# Altium PCB DSUB_V2_JGl_RoV24_RevA.PcbDoc (part 1 of 2) (continued)
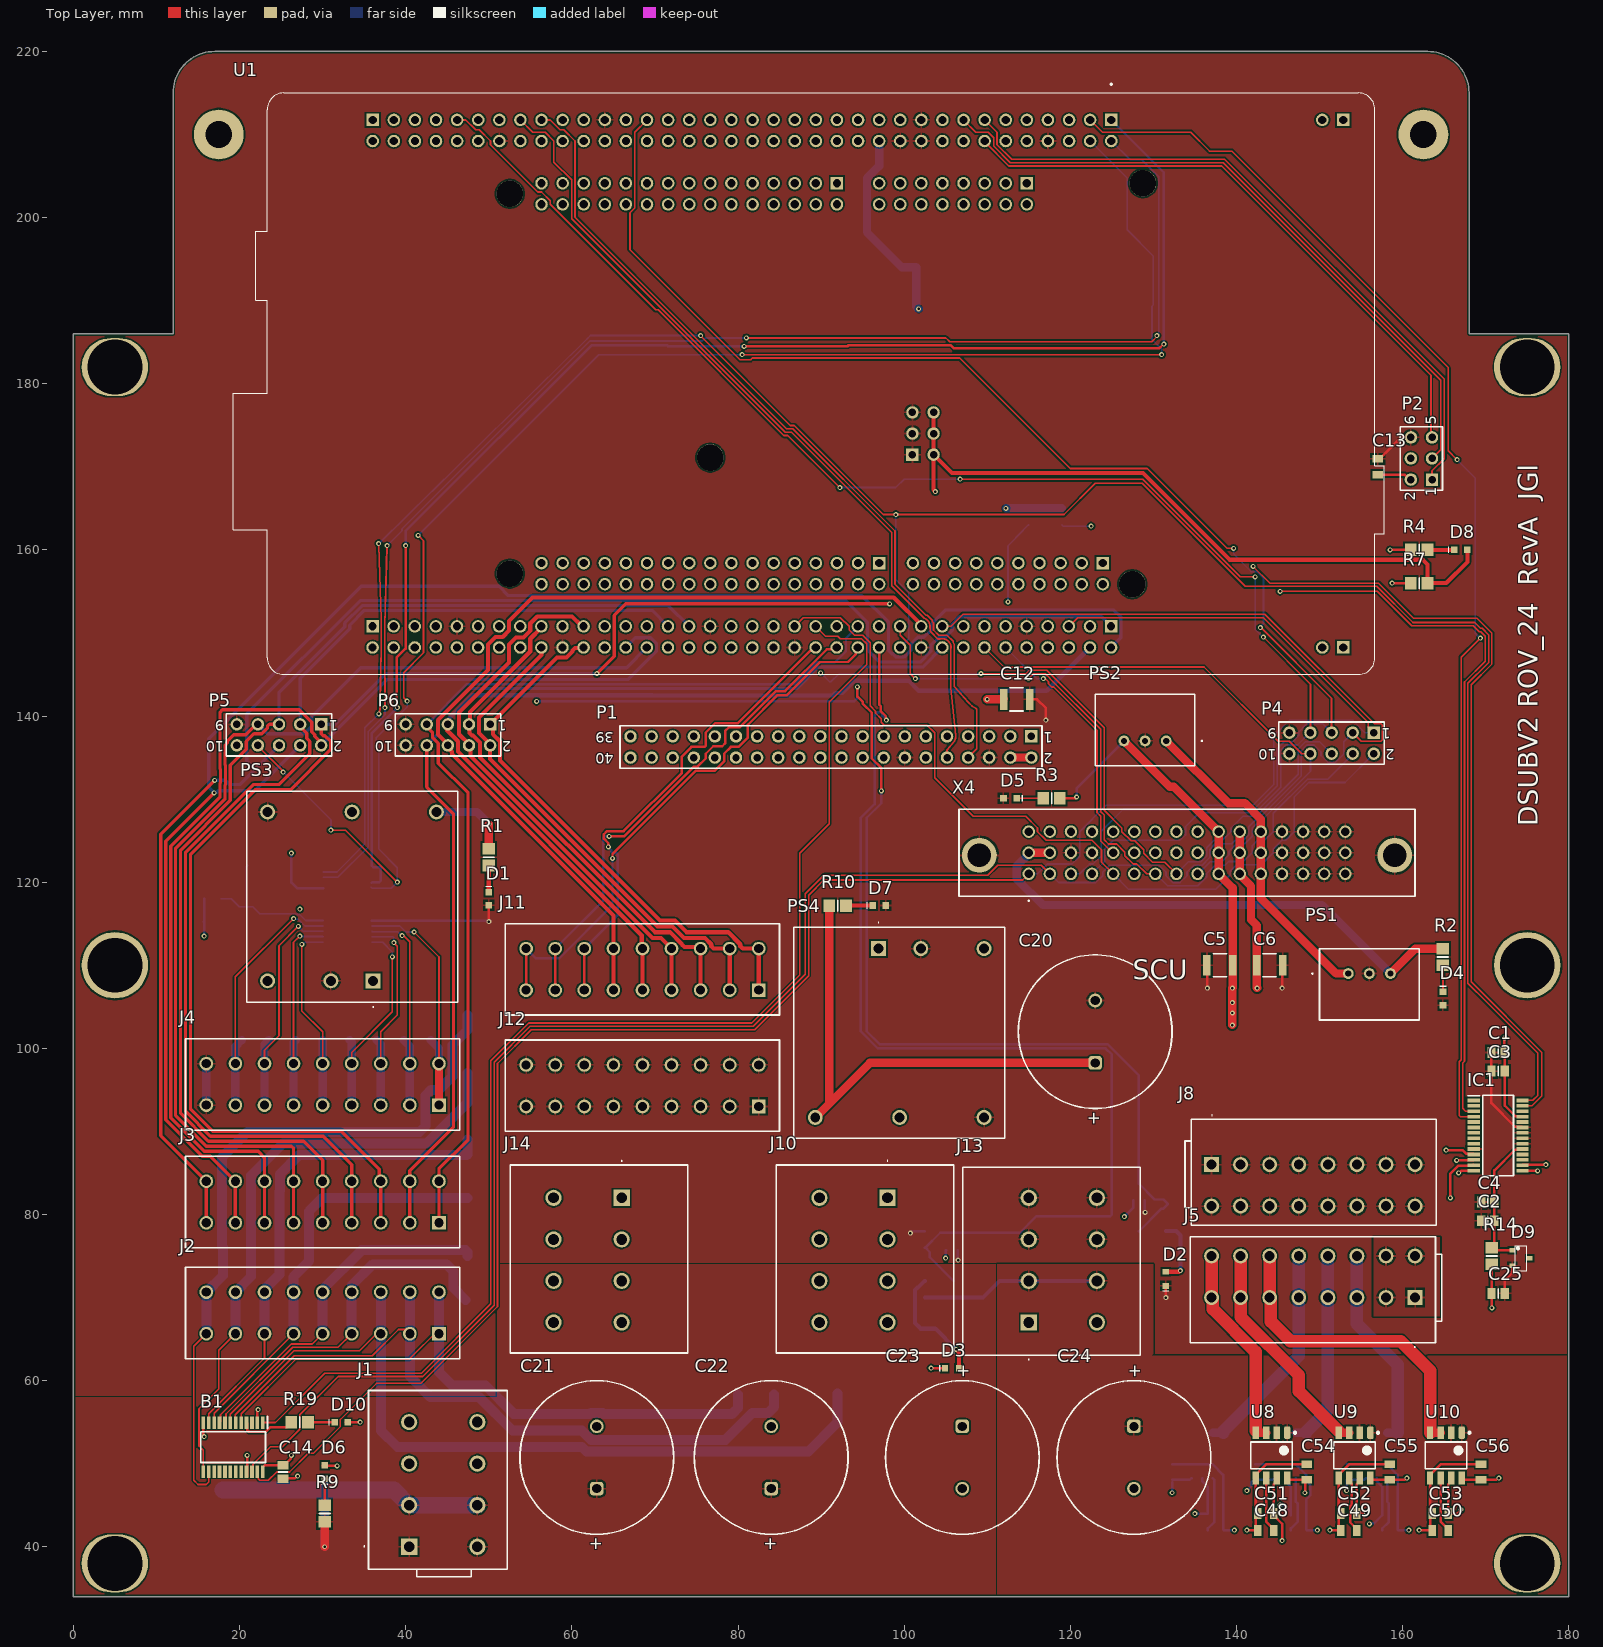
[diagram p0: Top Layer view]
## Components (designator, comment, footprint, x,y, rotation, side; value= is the part's Value field where it differs from the comment) (continued)
U6 "LEM GO 20-SME/SP3" Lem_sme_SOIC8 146.5,51 r270 bottom
U7 "LEM GO 20-SME/SP3" Lem_sme_SOIC8 157.5,51 r270 bottom
U8 "LEM GO 20-SME/SP3" Lem_sme_SOIC8 144.212,51 r270 top
U9 "LEM GO 20-SME/SP3" Lem_sme_SOIC8 154.212,51 r270 top
U10 "LEM GO 20-SME/SP3" Lem_sme_SOIC8 165.212,51 r270 top
X4 "09232482824" 09232482824 115,121 r180 top

## Footprints (in the part's own frame and the unit in brackets; to place one, negate y for a bottom-side part, rotate by r counter-clockwise, add the part's x,y. Pads: shape width x height; smd on the part's side, far side on the other; paste and mask are expansions set on the pad)
6-0805_L [mm] "Chip Resistor, Body 2.0x1.2mm, IPC High Density"
  rect 1x1.3 smd: 1(-0.8,0) 2(0.8,0)
  silkscreen extent 0,-0.55 0,0.55, body extent -1.07,-0.7 1.07,0.7, height 0.7
6-0805_M [mm] "Chip Resistor, Body 2.0x1.2mm, IPC Low Density"
  rect 1.4x1.5 smd: 1(-1,0) 2(1,0)
  silkscreen extent 0,-0.65 0,0.65, body extent -1.07,-0.7 1.07,0.7, height 0.7
1190365 [mm]
  rect 1.95x1.95 hole 1.3: A1(0,0)
  round 1.95 hole 1.3: A2(5,0) A3(10,0) A4(15,0) B1(0,-8.2) B2(5,-8.2) B3(10,-8.2) B4(15,-8.2)
  silkscreen extent -4.5,-13.4 18.67,7.95, body extent -3.95,-13.46 18.68,7.89, height 20.28
1864354 [mm]
  rect 1.65x1.65 hole 1.1: 1(0,0)
  round 1.65 hole 1.1: 2(0,-5) 3(3.5,0) 4(3.5,-5) 5(7,0) 6(7,-5) 7(10.5,0) 8(10.5,-5) 9(14,0) 10(14,-5) 11(17.5,0) 12(17.5,-5) 13(21,0) 14(21,-5) 15(24.5,0) 16(24.5,-5) 17(28,0) 18(28,-5)
  silkscreen extent -2.5,-8 30.5,3, body extent -2.54,-8 30.46,3, height 10.9
26013108 [mm]
  rect 1.8x1.8 hole 1.2: 1(0,0)
  round 1.8 hole 1.2: 2(0,-5) 3(3.5,0) 4(3.5,-5) 5(7,0) 6(7,-5) 7(10.5,0) 8(10.5,-5) 9(14,0) 10(14,-5) 11(17.5,0) 12(17.5,-5) 13(21,0) 14(21,-5) 15(24.5,0) 16(24.5,-5)
  silkscreen extent -3.2,-7.3 27.05,6, body extent -2.44,-7.22 27.06,5.53, height 16.61
26043104 [mm]
  rect 1.95x1.95 hole 1.3: 1(0,0)
  round 1.95 hole 1.3: 2(0,-8.2) 3(5,0) 4(5,-8.2) 5(10,0) 6(10,-8.2) 7(15,0) 8(15,-8.2)
  silkscreen extent -3.6,-11.8 18.8,5.45
09232482824 [mm]
  round 1.5 hole 1: A1(0,0) A2(-2.54,0) A3(-5.08,0) A4(-7.62,0) A5(-10.16,0) A6(-12.7,0) A7(-15.24,0) A8(-17.78,0) A9(-20.32,0) A10(-22.86,0) A11(-25.4,0) A12(-27.94,0) A13(-30.48,0) A14(-33.02,0) A15(-35.56,0) A16(-38.1,0) B1(0,-2.54) B2(-2.54,-2.54) B3(-5.08,-2.54) B4(-7.62,-2.54) B5(-10.16,-2.54) B6(-12.7,-2.54) B7(-15.24,-2.54) B8(-17.78,-2.54) B9(-20.32,-2.54) B10(-22.86,-2.54) B11(-25.4,-2.54) B12(-27.94,-2.54) B13(-30.48,-2.54) B14(-33.02,-2.54) B15(-35.56,-2.54) B16(-38.1,-2.54) C1(0,-5.08) C2(-2.54,-5.08) C3(-5.08,-5.08) C4(-7.62,-5.08) C5(-10.16,-5.08) C6(-12.7,-5.08) C7(-15.24,-5.08) C8(-17.78,-5.08) C9(-20.32,-5.08) C10(-22.86,-5.08) C11(-25.4,-5.08) C12(-27.94,-5.08) C13(-30.48,-5.08) C14(-33.02,-5.08) C15(-35.56,-5.08) C16(-38.1,-5.08)
  round 4.2 hole 2.8: MH1(5.95,-2.24) MH2(-44.05,-2.24)
  silkscreen extent -46.5,-7.79 8.4,3.3, body extent -46.5,-7.8 8.4,2.7, height 11.6
FUSC5146X85N [mm]
  rect 1.02x4.94 smd: 1(-2.565,0) 2(2.565,0)
  silkscreen extent 0,-2.19 0,2.19, body extent -2.54,-2.29 2.54,2.29, height 0.85
HDR2X3 [mm] "Connector; Header; 3x2 Position"
  rect 1.5x1.5 hole 0.9: 1(0,0)
  round 1.5 hole 0.9: 2(0,2.54) 3(2.54,0) 4(2.54,2.54) 5(5.08,0) 6(5.08,2.54)
  silkscreen extent -1.27,-1.27 6.35,3.81
HDR2X5 [mm] "Connector; Header; 5x2 Position"
  rect 1.5x1.5 hole 0.9: 1(0,0)
  round 1.5 hole 0.9: 2(0,2.54) 3(2.54,0) 4(2.54,2.54) 5(5.08,0) 6(5.08,2.54) 7(7.62,0) 8(7.62,2.54) 9(10.16,0) 10(10.16,2.54)
  silkscreen extent -1.27,-1.27 11.43,3.81
HDR2X20 [mm] "Connector; Header; 20x2 Position"
  rect 1.5x1.5 hole 0.9: 1(0,0)
  round 1.5 hole 0.9: 2(0,2.54) 3(2.54,0) 4(2.54,2.54) 5(5.08,0) 6(5.08,2.54) 7(7.62,0) 8(7.62,2.54) 9(10.16,0) 10(10.16,2.54) 11(12.7,0) 12(12.7,2.54) 13(15.24,0) 14(15.24,2.54) 15(17.78,0) 16(17.78,2.54) 17(20.32,0) 18(20.32,2.54) 19(22.86,0) 20(22.86,2.54) 21(25.4,0) 22(25.4,2.54) 23(27.94,0) 24(27.94,2.54) 25(30.48,0) 26(30.48,2.54) 27(33.02,0) 28(33.02,2.54) 29(35.56,0) 30(35.56,2.54) 31(38.1,0) 32(38.1,2.54) 33(40.64,0) 34(40.64,2.54) 35(43.18,0) 36(43.18,2.54) 37(45.72,0) 38(45.72,2.54) 39(48.26,0) 40(48.26,2.54)
  silkscreen extent -1.27,-1.27 49.53,3.81
Lem_sme_SOIC8 [mm] "SOIC, 8-Leads, Body 4,89x3,90mm, Pitch 1,27mm, IPC Medium Density"
  rrect50% 1.52x0.76 smd: 1(-2.725,1.905)
  rect 1.52x0.76 smd: 2(-2.725,0.635) 3(-2.725,-0.635) 4(-2.725,-1.905) 5(2.725,-1.905) 6(2.725,-0.635) 7(2.725,0.635) 8(2.725,1.905)
  silkscreen extent -2.85,-2.5 1.6,2.96, body extent -3.01,-2.5 3.01,2.5, height 1.63
MODULE_NUCLEOH723ZG [mm]
  rect 1.508x1.508 / inner round 1.508 / far side rect 1.508x1.508 hole 1: CN3_1(-31.75,62.87) CN4_1(31.75,62.87) CN7_1(21.59,33.914) CN8_1(-24.13,24.77) CN9_1(-24.13,1.91) CN10_1(21.59,6.99) CN11_1(-31.75,34.93) CN12_1(29.21,34.91) CN15_1(29.21,-53.99) CN16_1(-31.75,-53.97)
  round 1.508 hole 1: CN3_2(-31.75,60.33) CN4_2(31.75,60.33) CN7_2(24.13,33.914) CN7_3(21.59,31.374) CN7_4(24.13,31.374) CN7_5(21.59,28.834) CN7_6(24.13,28.834) CN7_7(21.59,26.294) CN7_8(24.13,26.294) CN7_9(21.59,23.754) CN7_10(24.13,23.754) CN7_11(21.59,21.214) CN7_12(24.13,21.214) CN7_13(21.59,18.674) CN7_14(24.13,18.674) CN7_15(21.59,16.134) CN7_16(24.13,16.134) CN7_17(21.59,13.594) CN7_18(24.13,13.594) CN7_19(21.59,11.054) CN7_20(24.13,11.054) CN8_2(-21.59,24.77) CN8_3(-24.13,22.23) CN8_4(-21.59,22.23) CN8_5(-24.13,19.69) CN8_6(-21.59,19.69) CN8_7(-24.13,17.15) CN8_8(-21.59,17.15) CN8_9(-24.13,14.61) CN8_10(-21.59,14.61) CN8_11(-24.13,12.07) CN8_12(-21.59,12.07) CN8_13(-24.13,9.53) CN8_14(-21.59,9.53) CN8_15(-24.13,6.99) CN8_16(-21.59,6.99) CN9_2(-21.59,1.91) CN9_3(-24.13,-0.63) CN9_4(-21.59,-0.63) CN9_5(-24.13,-3.17) CN9_6(-21.59,-3.17) CN9_7(-24.13,-5.71) CN9_8(-21.59,-5.71) CN9_9(-24.13,-8.25) CN9_10(-21.59,-8.25) CN9_11(-24.13,-10.79) CN9_12(-21.59,-10.79) CN9_13(-24.13,-13.33) CN9_14(-21.59,-13.33) CN9_15(-24.13,-15.87) CN9_16(-21.59,-15.87) CN9_17(-24.13,-18.41) CN9_18(-21.59,-18.41) CN9_19(-24.13,-20.95) CN9_20(-21.59,-20.95) CN9_21(-24.13,-23.49) CN9_22(-21.59,-23.49) CN9_23(-24.13,-26.03) CN9_24(-21.59,-26.03) CN9_25(-24.13,-28.57) CN9_26(-21.59,-28.57) CN9_27(-24.13,-31.11) CN9_28(-21.59,-31.11) CN9_29(-24.13,-33.65) CN9_30(-21.59,-33.65) CN10_2(24.13,6.99) CN10_3(21.59,4.45) CN10_4(24.13,4.45) CN10_5(21.59,1.91) CN10_6(24.13,1.91) CN10_7(21.59,-0.63) CN10_8(24.13,-0.63) CN10_9(21.59,-3.17) CN10_10(24.13,-3.17) CN10_11(21.59,-5.71) CN10_12(24.13,-5.71) CN10_13(21.59,-8.25) CN10_14(24.13,-8.25) CN10_15(21.59,-10.79) CN10_16(24.13,-10.79) CN10_17(21.59,-13.33) CN10_18(24.13,-13.33) CN10_19(21.59,-15.87) CN10_20(24.13,-15.87) CN10_21(21.59,-18.41) CN10_22(24.13,-18.41) CN10_23(21.59,-20.95) CN10_24(24.13,-20.95) CN10_25(21.59,-23.49) CN10_26(24.13,-23.49) CN10_27(21.59,-26.03) CN10_28(24.13,-26.03) CN10_29(21.59,-28.57) CN10_30(24.13,-28.57) CN10_31(21.59,-31.11) CN10_32(24.13,-31.11) CN10_33(21.59,-33.65) CN10_34(24.13,-33.65) CN11_2(-29.21,34.93) CN11_3(-31.75,32.39) CN11_4(-29.21,32.39) CN11_5(-31.75,29.85) CN11_6(-29.21,29.85) CN11_7(-31.75,27.31) CN11_8(-29.21,27.31) CN11_9(-31.75,24.77) CN11_10(-29.21,24.77) CN11_11(-31.75,22.23) CN11_12(-29.21,22.23) CN11_13(-31.75,19.69) CN11_14(-29.21,19.69) CN11_15(-31.75,17.15) CN11_16(-29.21,17.15) CN11_17(-31.75,14.61) CN11_18(-29.21,14.61) CN11_19(-31.75,12.07) CN11_20(-29.21,12.07) CN11_21(-31.75,9.53) CN11_22(-29.21,9.53) CN11_23(-31.75,6.99) CN11_24(-29.21,6.99) CN11_25(-31.75,4.45) CN11_26(-29.21,4.45) CN11_27(-31.75,1.91) CN11_28(-29.21,1.91) CN11_29(-31.75,-0.63) CN11_30(-29.21,-0.63) CN11_31(-31.75,-3.17) CN11_32(-29.21,-3.17) CN11_33(-31.75,-5.71) CN11_34(-29.21,-5.71) CN11_35(-31.75,-8.25) CN11_36(-29.21,-8.25) CN11_37(-31.75,-10.79) CN11_38(-29.21,-10.79) CN11_39(-31.75,-13.33) CN11_40(-29.21,-13.33) CN11_41(-31.75,-15.87) CN11_42(-29.21,-15.87) CN11_43(-31.75,-18.41) CN11_44(-29.21,-18.41) CN11_45(-31.75,-20.95) CN11_46(-29.21,-20.95) CN11_47(-31.75,-23.49) CN11_48(-29.21,-23.49) CN11_49(-31.75,-26.03) CN11_50(-29.21,-26.03) CN11_51(-31.75,-28.57) CN11_52(-29.21,-28.57) CN11_53(-31.75,-31.11) CN11_54(-29.21,-31.11) CN11_55(-31.75,-33.65) CN11_56(-29.21,-33.65) CN11_57(-31.75,-36.19) CN11_58(-29.21,-36.19) CN11_59(-31.75,-38.73) CN11_60(-29.21,-38.73) CN11_61(-31.75,-41.27) CN11_62(-29.21,-41.27) CN11_63(-31.75,-43.81) CN11_64(-29.21,-43.81) CN11_65(-31.75,-46.35) CN11_66(-29.21,-46.35) CN11_67(-31.75,-48.89) CN11_68(-29.21,-48.89) CN11_69(-31.75,-51.43) CN11_70(-29.21,-51.43) CN12_2(31.75,34.91) CN12_3(29.21,32.37) CN12_4(31.75,32.37) CN12_5(29.21,29.83) CN12_6(31.75,29.83) CN12_7(29.21,27.29) CN12_8(31.75,27.29) CN12_9(29.21,24.75) CN12_10(31.75,24.75) CN12_11(29.21,22.21) CN12_12(31.75,22.21) CN12_13(29.21,19.67) CN12_14(31.75,19.67) CN12_15(29.21,17.13) CN12_16(31.75,17.13) CN12_17(29.21,14.59) CN12_18(31.75,14.59) CN12_19(29.21,12.05) CN12_20(31.75,12.05) CN12_21(29.21,9.51) CN12_22(31.75,9.51) CN12_23(29.21,6.97) CN12_24(31.75,6.97) CN12_25(29.21,4.43) CN12_26(31.75,4.43) CN12_27(29.21,1.89) CN12_28(31.75,1.89) CN12_29(29.21,-0.65) CN12_30(31.75,-0.65) CN12_31(29.21,-3.19) CN12_32(31.75,-3.19) CN12_33(29.21,-5.73) CN12_34(31.75,-5.73) CN12_35(29.21,-8.27) CN12_36(31.75,-8.27) CN12_37(29.21,-10.81) CN12_38(31.75,-10.81) CN12_39(29.21,-13.35) CN12_40(31.75,-13.35) CN12_41(29.21,-15.89) CN12_42(31.75,-15.89) CN12_43(29.21,-18.43) CN12_44(31.75,-18.43) CN12_45(29.21,-20.97) CN12_46(31.75,-20.97) CN12_47(29.21,-23.51) CN12_48(31.75,-23.51) CN12_49(29.21,-26.05) CN12_50(31.75,-26.05) CN12_51(29.21,-28.59) CN12_52(31.75,-28.59) CN12_53(29.21,-31.13) CN12_54(31.75,-31.13) CN12_55(29.21,-33.67) CN12_56(31.75,-33.67) CN12_57(29.21,-36.21) CN12_58(31.75,-36.21) CN12_59(29.21,-38.75) CN12_60(31.75,-38.75) CN12_61(29.21,-41.29) CN12_62(31.75,-41.29) CN12_63(29.21,-43.83) CN12_64(31.75,-43.83) CN12_65(29.21,-46.37) CN12_66(31.75,-46.37) CN12_67(29.21,-48.91) CN12_68(31.75,-48.91) CN12_69(29.21,-51.45) CN12_70(31.75,-51.45) CN15_2(31.75,-53.99) CN16_2(-29.21,-53.97)
  round 3.2 hole 3.2 unplated: ""(-24.13,38.74) ""(-22.86,-37.46) ""(8.89,-13.33) ""(22.86,-37.46) ""(24.13,37.47)
  silkscreen extent -36.14,-70.77 35,67.79, body extent -35.08,-70.8 34.93,67.75, height 20.56
SOP65P640X120-24N [mm]
  rect 1.5x0.45 smd: 1(-2.95,3.575) 2(-2.95,2.925) 3(-2.95,2.275) 4(-2.95,1.625) 5(-2.95,0.975) 6(-2.95,0.325) 7(-2.95,-0.325) 8(-2.95,-0.975) 9(-2.95,-1.625) 10(-2.95,-2.275) 11(-2.95,-2.925) 12(-2.95,-3.575) 13(2.95,-3.575) 14(2.95,-2.925) 15(2.95,-2.275) 16(2.95,-1.625) 17(2.95,-0.975) 18(2.95,-0.325) 19(2.95,0.325) 20(2.95,0.975) 21(2.95,1.625) 22(2.95,2.275) 23(2.95,2.925) 24(2.95,3.575)
  silkscreen extent -3.7,-3.9 1.85,4.15
SOP65P640X120-28N [mm]
  rect 1.475x0.45 smd: 1(-2.938,4.225) 2(-2.938,3.575) 3(-2.938,2.925) 4(-2.938,2.275) 5(-2.938,1.625) 6(-2.938,0.975) 7(-2.938,0.325) 8(-2.938,-0.325) 9(-2.938,-0.975) 10(-2.938,-1.625) 11(-2.938,-2.275) 12(-2.938,-2.925) 13(-2.938,-3.575) 14(-2.938,-4.225) 15(2.938,-4.225) 16(2.938,-3.575) 17(2.938,-2.925) 18(2.938,-2.275) 19(2.938,-1.625) 20(2.938,-0.975) 21(2.938,-0.325) 22(2.938,0.325) 23(2.938,0.975) 24(2.938,1.625) 25(2.938,2.275) 26(2.938,2.925) 27(2.938,3.575) 28(2.938,4.225)
  silkscreen extent -3.67,-4.85 1.85,4.85, body extent -3.2,-4.85 3.2,4.85, height 1.2
SOT323-123 [mm] "SOT23 WITH A/K PIN NUMBERS"
  rect 0.9x0.7 smd: 1(-1.05,0.7) 2(-1.05,-0.7) 3(1.05,0)
  silkscreen extent -0.05,-1.2 0.65,1.2, body extent -1.15,-1.17 1.14,1.18, height 1.33
"SOT - 23" [mm] "SOT23, 3-Leads, Body 2,90x2,30mm, Pitch 0,95mm, IPC High Density"
  rect 0.7x0.55 smd: 1(-1.05,0.95) 2(-1.05,-0.95) 3(1.05,0)
  silkscreen extent -0.7,-1.5 0.7,1.5, body extent -1.3,-1.5 1.3,1.5, height 1.1
THL304811WI [mm]
  rect 1.8x1.8 hole 1.2: 1(0,0)
  round 1.8 hole 1.2: 2(-5.08,0) 3(7.62,20.32) 4(-2.54,20.32) 5(-12.7,20.32) 6(-12.7,0)
  silkscreen extent -15.2,-3.2 10.2,22.82, body extent -15.2,-2.58 10.2,22.82, height 10.32
TSR0648120WI [mm]
  round 1.301 hole 0.759: 1(0,0) 2(2.54,0) 3(5.08,0)
  silkscreen extent -4.36,-5.6 8.54,3, body extent -3.42,-3.07 8.58,5.53, height 13.4
WCAP-AT1H_D18H21 [mm] "Aluminium Electrolytic Radial THD Capacitors, 18x21mm"
  rrect50% 1.65x1.65 hole 1.1: 1(3.75,0)
  round 1.65 hole 1.1: 2(-3.75,0)
  silkscreen extent -9.25,-9.25 9.25,9.25, body extent -8.99,-9 9,9, height 21.26
WCAP-CSGP_0805_L2W1.25H0.8_Reflow [mm] "Ceramic Capacitors, body 2x1.25mm"
  rect 0.9x1.3 smd: 1(-0.95,0) 2(0.95,0)
  body extent -1,-0.62 1,0.63, height 0.8
WCAP-CSGP_1210_L3.2W2.5H2.5 [mm] "Ceramic Capacitors, body 3.2x2.5mm"
  rect 0.9x2.5 smd: 1(-1.55,0) 2(1.55,0)
  silkscreen extent -0.8,-1.4 0.8,1.4, body extent -1.6,-1.25 1.6,1.25, height 2.5
WCAP-CSGP_1812_L4.5W3.2H2.5 [mm] "Ceramic Capacitors, body 4.5x3.2mm"
  rect 0.9x3.8 smd: 1(-2.2,0) 2(2.2,0)
  silkscreen extent -1.45,-1.8 1.45,1.8, body extent -2.25,-1.6 2.25,1.6, height 2.5
WCAP-CSGP_2220_L5.7W5H2.8 [mm] "Ceramic Capacitors, body 5.70x5.00mm"
  rect 1.35x5 smd: 1(-2.825,0) 2(2.825,0)
  silkscreen extent -1.8,-2.7 1.8,2.7, body extent -2.85,-2.5 2.85,2.5, height 2.8
WL-SMCW_0603_150060xx8x000 [mm] "SMD Mono-color Chip LED, body 1.6x0.8mm"
  rect 0.7x0.8 smd: 1(-0.85,0) 2(0.85,0)
  silkscreen extent -1.55,-0.4 -1.4,0.4, body extent -0.8,-0.4 0.8,0.4, height 0.95
WL-SMCW_0603_150060xx75003 [mm] "SMD Mono-color Chip LED, body 1.6x0.8mm"
  rect 0.8x0.8 smd: 1(-0.8,0) 2(0.8,0)
  silkscreen extent -1.55,-0.4 -1.4,0.4, body extent -0.8,-0.4 0.8,0.4, height 0.7
WRIS-KSKE_0805_L2W1.25H0.6 [mm] "Thick Film Resistors, SMT, body size 2x1.25mm"
  rect 0.7x1.25 smd: 1(-1,0) 2(1,0)
  body extent -1,-0.62 1,0.63, height 0.6

## Part data
B1: "Interface - I/O Expanders 16 Bit I2C GPIO Expander", Manufacturer_Name=EXAR, Mouser Part Number=701-XRA1203IG24TR-F, Datasheet Link=https://componentsearchengine.com/Datasheets/1/XRA1203IG24TR-F.pdf, Geometry.Height=1.2mm, Manufacturer_Part_Number=XRA1203IG24TR-F, Mouser Price/Stock=https://www.mouser.com/Search/Refine.aspx?Keyword=701-XRA1203IG24TR-F
C1 C2 C3 C4 C14 C15 C16 C17 C18 C19 C25: library part Cap, "Capacitor", LatestRevisionDate=17-Jul-2002, LatestRevisionNote="Re-released for DXP Platform.", PackageDescription="Radial Cap, Thru-Hole; 2 Leads; 0.3 in Pin Spacing", PackageReference=RAD-0.3, Published=8-Jun-2000, Publisher="Altium Limited"
C5 C6 C9 C11 C12: library part 885012209048, "WCAP-CSGP Multilayer Ceramic Chip Capacitor, General Purpose, size 1210, X7R, 4.7µF, 50VDC", Capacitance Tolerance=+/-10%, Case/Size Code=1210, Insulation Resistance=0.02GΩ, Manufacturer="Wurth Elektronik", Operating Temperature Max=125°C, Operating Temperature Min=-55°C, Rated Voltage (DC)=50V, Capacitance=4.7µF, Category="Multilayer Ceramic Chip Capacitors", Ceramic Type=X7R, ComponentLink1Description="Website Link", ComponentLink1URL=https://www.we-online.com/redexpert/article/885012209048?ad, ComponentLink2Description="Datasheet Link", ComponentLink2URL=https://www.we-online.com/redexpert/spec/885012209048?ad, Dissipation Factor=5%, Height=2.5mm, Length=3.2mm, Manufacturer Part Number=885012209048, Match Code=WCAP-CSGP, Mount="Surface Mount", Packaging="Tape and Reel", Technical Reference=X7R1210475K050DFCT10000, Width=2.5mm
C7 C8: library part 885012214006, "WCAP-CSGP Multilayer Ceramic Chip Capacitor, General Purpose, size 2220, X7R Class II, 10µF, 100VDC", Capacitance Tolerance=+/-10%, Case/Size Code=2220, Insulation Resistance=0.01GΩ, Manufacturer="Wurth Elektronik", Operating Temperature Max=125°C, Operating Temperature Min=-55°C, Rated Voltage (DC)=100V, Capacitance="10µF 100v", Category="Multilayer Ceramic Chip Capacitors", Ceramic Type="X7R Class II", ComponentLink1Description="Website Link", ComponentLink1URL=https://www.we-online.com/redexpert/article/885012214006?ad, ComponentLink2Description="Datasheet Link", ComponentLink2URL=https://www.we-online.com/redexpert/spec/885012214006?ad, Dissipation Factor=2.5%, Height=2.8mm, Length=5.7mm, Manufacturer Part Number=885012214006, Match Code=WCAP-CSGP, Mount="Surface Mount", Packaging="Tape and Reel", Technical Reference=X7R2220106K100DFCT10000, Width=5mm
C10: library part 885012210032, "WCAP-CSGP Multilayer Ceramic Chip Capacitor, General Purpose, size 1812, X7R, 2.2µF, 50VDC", Capacitance Tolerance=+/-10%, Case/Size Code=1812, Insulation Resistance=0.2GΩ, Manufacturer="Wurth Elektronik", Operating Temperature Max=125°C, Operating Temperature Min=-55°C, Rated Voltage (DC)=50V, Capacitance=2.2µF, Category="Multilayer Ceramic Chip Capacitors", Ceramic Type=X7R, ComponentLink1Description="Website Link", ComponentLink1URL=https://www.we-online.com/redexpert/article/885012210032?ad, ComponentLink2Description="Datasheet Link", ComponentLink2URL=https://www.we-online.com/redexpert/spec/885012210032?ad, Dissipation Factor=2.5%, Height=2.5mm, Length=4.5mm, Manufacturer Part Number=885012210032, Match Code=WCAP-CSGP, Mount="Surface Mount", Packaging="Tape and Reel", Technical Reference=X7R1812225K050DFCT10000, Width=3.2mm
C13: library part 885012207098R, "WCAP-CSGP Multilayer Ceramic Chip Capacitor, General Purpose, size 0805, X7R, 100nF, 50VDC", Capacitance Tolerance=+/-10%, Case/Size Code=0805, Insulation Resistance=5GΩ, Manufacturer="Wurth Elektronik", Operating Temperature Max=125°C, Operating Temperature Min=-55°C, Rated Voltage (DC)=50V, Capacitance=100nF, Category="Multilayer Ceramic Chip Capacitors", Ceramic Type=X7R, ComponentLink1Description="Website Link", ComponentLink1URL=https://www.we-online.com/redexpert/article/885012207098R?ad, ComponentLink2Description="Datasheet Link", ComponentLink2URL=https://www.we-online.com/redexpert/spec/885012207098R?ad, Dissipation Factor=2.5%, Height=0.8mm, Length=2mm, Manufacturer Part Number=885012207098R, Match Code=WCAP-CSGP, Mount="Surface Mount", Packaging="Tape and Reel", Technical Reference=X7R0805104K050DFCT20000, Width=1.25mm
C20 C21 C22 C23 C24: library part 860240981006, "WCAP-AT1H Aluminum Electrolytic Capacitor, Radial, THT, D18 x H21mm, 100µF, 160V", Capacitance Tolerance=+/-20%, Leakage Current=740µA, Manufacturer="Wurth Elektronik", Operating Temperature Max=105°C, Operating Temperature Min=-40°C, Rated Voltage (DC)=160V, Ripple Current=1310mA, Capacitance=100µF, Category="Aluminum Electrolytic Capacitors", ComponentLink1Description="Website Link", ComponentLink1URL=https://www.we-online.com/redexpert/article/860240981006?ad, ComponentLink2Description="Datasheet Link", ComponentLink2URL=https://www.we-online.com/redexpert/spec/860240981006?ad, Diameter=18mm, Dissipation Factor=15%, Endurance=10000h, Height=21mm, Manufacturer Part Number=860240981006, Match Code=WCAP-AT1H, Mount="Through Hole", Packaging="Ammo Pack", Technical Reference=ATDL210101M160DSPAEK000
C26 C28 C39 C40 C43 C44 C48 C49 C50 C54 C55 C56: library part 885012207096, "WCAP-CSGP Multilayer Ceramic Chip Capacitor, General Purpose, size 0805, X7R, 47nF, 50VDC", Capacitance Tolerance=+/-10%, Case/Size Code=0805, Insulation Resistance=10GΩ, Manufacturer="Wurth Elektronik", Operating Temperature Max=125°C, Operating Temperature Min=-55°C, Rated Voltage (DC)=50V, Capacitance=47nF, Category="Multilayer Ceramic Chip Capacitors", Ceramic Type=X7R, ComponentLink1Description="Website Link", ComponentLink1URL=https://www.we-online.com/redexpert/article/885012207096?ad, ComponentLink2Description="Datasheet Link", ComponentLink2URL=https://www.we-online.com/redexpert/spec/885012207096?ad, Dissipation Factor=2.5%, Height=0.8mm, Length=2mm, Manufacturer Part Number=885012207096, Match Code=WCAP-CSGP, Mount="Surface Mount", Packaging="Tape and Reel", Technical Reference=X7R0805473K050DFCT10000, Width=1.25mm
C27 C41 C42 C51 C52 C53: library part 885012207090, "WCAP-CSGP Multilayer Ceramic Chip Capacitor, General Purpose, size 0805, X7R, 4.7nF, 50VDC", Capacitance Tolerance=+/-10%, Case/Size Code=0805, Insulation Resistance=10GΩ, Manufacturer="Wurth Elektronik", Operating Temperature Max=125°C, Operating Temperature Min=-55°C, Rated Voltage (DC)=50V, Capacitance=4.7nF, Category="Multilayer Ceramic Chip Capacitors", Ceramic Type=X7R, ComponentLink1Description="Website Link", ComponentLink1URL=https://www.we-online.com/redexpert/article/885012207090?ad, ComponentLink2Description="Datasheet Link", ComponentLink2URL=https://www.we-online.com/redexpert/spec/885012207090?ad, Dissipation Factor=2.5%, Height=0.8mm, Length=2mm, Manufacturer Part Number=885012207090, Match Code=WCAP-CSGP, Mount="Surface Mount", Packaging="Tape and Reel", Technical Reference=X7R0805472K050DFCT10000, Width=1.25mm
D1 D4 D5 D6 D7: library part 150060BS75003, "WL-SMCW Mono-color Chip LED Waterclear, size 0603, Blue, 3.2V, 140°", Case/Size Code=0603, Emitting Color=Blue, Forward Voltage=3.2V, Manufacturer="Wurth Elektronik", Operating Temperature Max=100°C, Operating Temperature Min=-40°C, Category="Signal LEDs", Chip Technology=InGaN, ComponentLink1Description="Website Link", ComponentLink1URL=https://www.we-online.com/redexpert/article/150060BS75003?ad, ComponentLink2Description="Datasheet Link", ComponentLink2URL=https://www.we-online.com/redexpert/spec/150060BS75003?ad, Dominant Wavelength=470nm, Height=0.7mm, Length=1.6mm, Luminous Intensity=350mcd, Manufacturer Part Number=150060BS75003, Match Code=WL-SMCW, Mount="Surface Mount", Packaging="Tape and Reel", Peak Wavelength=465nm, Viewing Angle=140°, Width=0.8mm
D2 D3: library part 150060GS84000, "WL-SMCW Mono-color Chip LED Waterclear, size 0603, Green, 3.3V, 40°", Case/Size Code=0603, Emitting Color=Green, Forward Voltage=3.3V, Manufacturer="Wurth Elektronik", Operating Temperature Max=85°C, Operating Temperature Min=-40°C, Category="Signal LEDs", Chip Technology=InGaN, ComponentLink1Description="Website Link", ComponentLink1URL=https://www.we-online.com/redexpert/article/150060GS84000?ad, ComponentLink2Description="Datasheet Link", ComponentLink2URL=https://www.we-online.com/redexpert/spec/150060GS84000?ad, Dominant Wavelength=525nm, Height=0.95mm, Length=1.6mm, Luminous Intensity=3000mcd, Manufacturer Part Number=150060GS84000, Match Code=WL-SMCW, Mount="Surface Mount", Packaging="Tape and Reel", Peak Wavelength=520nm, Viewing Angle=40°, Width=0.8mm
D8 D10: library part 150060RS75003, "WL-SMCW Mono-color Chip LED Waterclear, size 0603, Red, 2V, 140°", Case/Size Code=0603, Emitting Color=Red, Forward Voltage=2V, Manufacturer="Wurth Elektronik", Operating Temperature Max=100°C, Operating Temperature Min=-40°C, Category="Signal LEDs", Chip Technology=AlInGaP, ComponentLink1Description="Website Link", ComponentLink1URL=https://www.we-online.com/redexpert/article/150060RS75003?ad, ComponentLink2Description="Datasheet Link", ComponentLink2URL=https://www.we-online.com/redexpert/spec/150060RS75003?ad, Dominant Wavelength=625nm, Height=0.7mm, Length=1.6mm, Luminous Intensity=530mcd, Manufacturer Part Number=150060RS75003, Match Code=WL-SMCW, Mount="Surface Mount", Packaging="Tape and Reel", Peak Wavelength=630nm, Viewing Angle=140°, Width=0.8mm
D9 D14: "Integrated Circuit", Manufacturer_Name=Microchip, Mouser Part Number=998-LM4040CYM3-2.5TR, Arrow Part Number=LM4040CYM3-2.5-TR, Arrow Price/Stock=https://www.arrow.com/en/products/lm4040cym3-2.5-tr/microchip-technology?region=nac, Datasheet Link=https://componentsearchengine.com/Datasheets/1/LM4040CYM3-2.5-TR.pdf, Height=1.11mm, Manufacturer_Part_Number=LM4040CYM3-2.5-TR, Mouser Price/Stock=https://www.mouser.co.uk/ProductDetail/Microchip-Technology/LM4040CYM3-2.5-TR?qs=Y3Q3JoKAO1TBY3WS5dYgqA%3D%3D
D11 D12: library part "Dual Schottky Diode", "DUAL SCHOTTKY DIODE SERIES", Model=BAS70W-04Q
F1 F2 F3 F4 F5 F6 F7 F8 F9: "Fuse", Manufacturer_Name=Bourns, Mouser Part Number=652-MF-SMDF200-2, Arrow Part Number=MF-SMDF200-2, Arrow Price/Stock=https://www.arrow.com/en/products/mf-smdf200-2/bourns?region=nac, Datasheet Link=https://www.bourns.com/docs/product-datasheets/mf-smdf.pdf?sfvrsn=df432e3c_40, Height=0.85mm, Manufacturer_Part_Number=MF-SMDF200-2, Mouser Price/Stock=https://www.mouser.co.uk/ProductDetail/Bourns/MF-SMDF200-2?qs=NmEazmuVvbUP9opuVlBLcQ%3D%3D
IC1 IC3: "Integrated Circuit", Manufacturer_Name="Analog Devices", Mouser Part Number=584-AD7193BRUZ, Arrow Part Number=AD7193BRUZ, Arrow Price/Stock=https://www.arrow.com/en/products/ad7193bruz/analog-devices?region=nac, Datasheet Link=https://www.arrow.com/en/products/ad7193bruz/analog-devices, Height=1.2mm, Manufacturer_Part_Number=AD7193BRUZ, Mouser Price/Stock=https://www.mouser.co.uk/ProductDetail/Analog-Devices/AD7193BRUZ?qs=NmRFExCfTkGSEOyDxDZl1A%3D%3D
J1: "PCB terminal block; lever; 4 mm; Pin spacing 5 mm; 4-pole; Push-in CAGE CLAMP", Manufacturer_Name=Wago, Arrow Part Number=2604-3104, Arrow Price/Stock=https://www.arrow.com/en/products/2604-3104/wago-kontakttechnik-gmbh?region=nac, Datasheet Link=https://www.wago.com/2604-3104, Geometry.Height=21.3mm, Manufacturer_Part_Number=2604-3104
J2 J3 J4 J11 J12: "Conn Terminal Block 9 POS 3.5mm Spring Clamp Thru-Hole 13.5A", Manufacturer_Name="Phoenix Contact", Mouser Part Number=651-1864354, Arrow Part Number=1864354, Arrow Price/Stock=https://www.arrow.com/en/products/1864354/phoenix-contact, Datasheet Link=https://datasheet.datasheetarchive.com/originals/distributors/DKDS-31/613782.pdf, Geometry.Height=10.9mm, Manufacturer_Part_Number=1864354, Mouser Price/Stock=https://www.mouser.co.uk/ProductDetail/Phoenix-Contact/1864354?qs=K5ytOU5dogooOTFQbYZG6w%3D%3D
J5 J8: "Connector", Manufacturer_Name=Wago, Datasheet Link=https://www.wago.com/2601-3108, Height=16.58mm, Manufacturer_Part_Number=2601-3108
J10 J13 J14: "Fixed Terminal Blocks LPTA 2,5/ 4-5,0", Manufacturer_Name="Phoenix Contact", Mouser Part Number=651-1190365, Datasheet Link=http://www.phoenixcontact.net/product/1190365, Geometry.Height=22.65mm, Manufacturer_Part_Number=1190365, Mouser Price/Stock=https://www.mouser.co.uk/ProductDetail/Phoenix-Contact/1190365?qs=QNEnbhJQKvbYhaie4VzA2g%3D%3D
P1: "Header, 20-Pin, Dual row", LatestRevisionDate=17-Jul-2002, LatestRevisionNote="Re-released for DXP Platform.", Publisher="Altium Limited"
P2 P3: "Header, 3-Pin, Dual row", LatestRevisionDate=17-Jul-2002, LatestRevisionNote="Re-released for DXP Platform.", Publisher="Altium Limited"
P4 P5 P6: "Header, 5-Pin, Dual row", LatestRevisionDate=17-Jul-2002, LatestRevisionNote="Re-released for DXP Platform.", Publisher="Altium Limited"
PS1: "Power Supply", Manufacturer_Name="Traco Power", Manufacturer_Part_Number="TSR 0.6-48120WI", Mouser Part Number=495-TSR0.6-48120WI, Datasheet Link=https://tracopower.com/tsr0-6wi-datasheet/, Height=13.4mm, Mouser Price/Stock=https://www.mouser.co.uk/ProductDetail/TRACO-Power/TSR-0.6-48120WI?qs=XeJtXLiO41RYifRYPPRcXw%3D%3D
PS2: "Power Supply", Manufacturer_Name="Traco Power", Manufacturer_Part_Number="TSR 0.6-4833WI", Mouser Part Number=495-TSR0.6-4833WI, Datasheet Link=https://tracopower.com/tsr0-6wi-datasheet/, Height=13.4mm, Mouser Price/Stock=https://www.mouser.co.uk/ProductDetail/TRACO-Power/TSR-06-4833WI?qs=XeJtXLiO41TOoSnX4kC9jQ%3D%3D
PS3 PS4: "Power Supply", Manufacturer_Name="Traco Power", Manufacturer_Part_Number="THL 30-4811WI", Mouser Part Number=495-THL30-4811WI, Datasheet Link=https://tracopower.com/thl30wi-datasheet/, Height=10.7mm, Mouser Price/Stock=https://www.mouser.co.uk/ProductDetail/TRACO-Power/THL-30-4811WI?qs=Y0Uzf4wQF3nJ2IvHzeZgKg%3D%3D
R1 R2 R3 R4 R5 R6 R7 R8 R9 R10 R11 R12 R13 R14 R16 R17 R19 R20: library part Res2, "Resistor", LatestRevisionDate=17-Jul-2002, LatestRevisionNote="Re-released for DXP Platform.", PackageDescription="Axial Device, Thru-Hole; 2 Leads; 0.4 in Pin Spacing", PackageReference=AXIAL-0.4, Published=8-Jun-2000, Publisher="Altium Limited"
R24 R25 R26 R27 R28 R29 R30 R31: library part 560050320001, "WRIS-KSKE Thick Film Resistor, SMT, size 0805, 0.33W, 0.1Ω, +/-1%", Case/Size Code=0805, Manufacturer="Wurth Elektronik", Operating Temperature Max=155°C, Operating Temperature Min=-55°C, Rated Current=1.81A, Rated Power=0.33W, Resistance Tolerance=+/-1%, Temperature Coefficient of Resistance=250ppm/°C, Category="Thick Film Resistors", ComponentLink1Description="Website Link", ComponentLink1URL=https://www.we-online.com/redexpert/article/560050320001?ad, ComponentLink2Description="Datasheet Link", ComponentLink2URL=https://www.we-online.com/redexpert/spec/560050320001?ad, Height=0.6mm, Length=2mm, Manufacturer Part Number=560050320001, Match Code=WRIS-KSKE, Mount="Surface Mount", Packaging="Tape and Reel", Resistance=0.1Ω, Technical Reference=KE0805R100F103LAATP0000, Width=1.25mm
U1: "STM32H723ZG Nucleo-144 STM32H7 STM32 MCU 32-Bit Embedded Evaluation Board", Package=None, Availability="In Stock", Check_prices=https://www.snapeda.com/parts/NUCLEOH723ZG/STMicroelectronics/view-part/?ref=eda, MF=STMicroelectronics, MP=NUCLEOH723ZG, Price=None, Purchase-URL=https://pricing.snapeda.com/search/part/NUCLEOH723ZG/?ref=eda, SnapEDA_Link=https://www.snapeda.com/parts/NUCLEOH723ZG/STMicroelectronics/view-part/?ref=snap
U3 U6 U7 U8 U9 U10: library part LEM_SME, "Integrated Current Transducer GO-SME s", Manufacturer=LEM, ComponentLink1Description=Datasheet, ComponentLink1URL=https://www.lem.com/sites/default/files/products_datasheets/go-sme_series.pdf, Ordering Number="GO 20-SME/SP3"
X4: "DIN 2C female straight 48pin, 2.9mm tails, PL1", Manufacturer=HARTING, Mouser Part Number=617-09232482824, Datasheet Link=https://b2b.harting.com/files/download/PRD/PDF_DS/PDF_DS_09032100001.pdf, Geometry.Height=11.6mm, Mouser Price/Stock=https://www.mouser.co.uk/ProductDetail/HARTING/09232482824?qs=Afqhj6cPmO8bPFy5EsJjEQ%3D%3D, Ordering Number=09232482824

## Free pads (board coordinates)
  oval 8x7 hole 6.6: 1(5,38) 1(5,182) 1(175,38) 1(175,182)
  round 8 hole 6.6: 1(5,110) 1(175,110)
  round 6 hole 3.2: 1(17.5,210) 1(162.5,210)

## Via types
v1: diameter 0.6, hole 0.3, Top Layer to Bottom Layer, 118 vias

## Nets (pads, with @x,y where several pads share a name; then routed paths per layer and width w, separated by ;. In a path a pad name is that pad's centre, name@x,y a point inside that pad or via, vN(x,y) a via of type N, cw(c..) or ccw(c..) an arc to the next point about the centre after c; other vN are vias at no path point)
2V5_Ref: C15.2 C16.2 D14.1 IC3.19 R20.1 | length 18.3
  Bottom Layer w0.2: R20.1@17.75,118 19,118 19.95,117.05 D14.1@20.8,117.05 21.576,117.05 22.427,116.199 26.749,116.199 26.848,116.1 27.249,116.1 27.974,115.375 IC3.19@30.062,115.375 ; D14.1@20.8,117.125 20.8,120 20.8,121.85 C16.2@20.95,122
2V5_Ref_2: C2.2 C4.2 D9.1 IC1.19 R14.1 | length 16.4
  Top Layer w0.3: C2.2@171.05,79.25 171.05,76.3 R14.1@170.75,76 171.05,75.7 D9.1@173.2,75.7 ; C2.2@171.05,79.25 171.049,85.293 173.556,87.8 174.363,87.8 IC1.19@174.438,87.875
+3V3: B1.24 C1.2 C3.2 C5.2 C13.1 C14.2 C17.2 C18.2 C19.2 C25.2 C28.2 C43.2 C44.2 C54.2 C55.2 C56.2 D11.2 D12.2 IC1.25 IC3.25 P2.2 PS2.3 R3.2 R4.2 R5.2 R6.2 R7.2 R14.2 R20.2 U3.8 U6.8 U7.8 U8.8 U9.8 U10.8 X4.A10 X4.B10 X4.C10 | length 161.6
  Top Layer w0.3: B1.24@22.791,49.05 22.791,49.575 23.016,49.8 C14.2@25.242,49.8 25.392,49.8 26.193,50.601 26.193,50.943 v1(26.25,51) ; R3.2@118.751,130.104 120.604,130.104 v1(120.75,130.25) ; U8.8@146.117,48.275 146.342,48.05 C54.2@148.451,48.05 ; v1@148.3,46.5 C54.2@148.3,47.967 ; U9.8@156.117,48.275 156.342,48.05 C55.2@158.451,48.05 160.219,48.05 160.419,48.25 v1(160.5,48.25) ; C13.1@156.833,169.05 C13.1@157,169.05 160.224,169.05 160.814,168.46 P2.2@161,168.46 ; v1(158.5,160) R4.2@161,160 ; v1(158.75,156) R7.2@161,156 ; U10.8@167.117,48.275 167.342,48.05 C56.2@169.451,48.05 ; C56.2@169.533,48.05 171.3,48.05 ; v1(170.75,68.75) 170.75,70.45 C25.2@170.7,70.5 170.75,70.55 R14.2@170.75,74 ; v1(172.25,101.25) 172.25,99.55 C1.2@172.3,99.5 C3.2@172.3,97.25 172.3,93.106 173.556,91.85 174.363,91.85 IC1.25@174.438,91.775
  Top Layer w1: PS2.3@126.518,136.942 131.96,131.5 132.44,131.5 X4.C10@137.86,126.08 X4.B10@137.86,123.54 X4.A10@137.86,121 139.55,119.31 139.55,107.3 v1(139.5,107.25) v1(139.5,104.25) v1(139.5,102.794)
  Layer 1 w0.3: v1(105,74.75) 105.831,74.75 110.831,79.75 v1(126.5,79.75)
  Layer 1 w1: PS2.3@126.46,137 131.96,142.5 134.5,142.5
  Bottom Layer w0.3: v1(15.75,113.5) 15.75,115.2 C19.2@15.7,115.25 15.75,115.3 R20.2@15.75,118 ; v1(26.25,123.5) C17.2@26.25,122.031 C18.2@26.25,120.104 26.25,119.954 26.929,119.275 IC3.25@30.062,119.275 ; v1(105,74.75) 105.025,74.775 105.025,75.675 D12.2@105.05,75.7 ; v1(120.75,130.25) 120.75,131.29 PS2.3@126.46,137 ; v1(126.5,79.75) 127.55,80.8 D11.2@127.55,81.7 ; v1(132.25,46.5) C28.2@132.25,47.789 ; C28.2@132.261,48.05 134.37,48.05 U3.8@134.595,48.275 ; v1(141.25,46.75) 141.78,47.28 141.78,47.75 142.069,48.039 C43.2@142.25,48.039 ; C43.2@142.261,48.05 144.37,48.05 U6.8@144.595,48.275 ; v1(153.25,46.75) 153.25,48.039 C44.2@153.261,48.05 155.37,48.05 U7.8@155.595,48.275
  Bottom Layer w1: v1(112.25,165) R6.2@119,165
  other v1: 148.25,46.5 171.581,48.25 139.5,105.5
+5P: C9.2 C10.2 C20.1 F1.1 F2.1 F3.1 F4.1 F5.1 F6.1 F7.1 F8.1 F9.1 PS4.3 R10.2 | length 96.6
  Top Layer w1: PS4.3@89.3,91.68 91,93.38 ; R10.2@91,117.184 91,93.38 ; C20.1@123,98.25 95.87,98.25 91,93.38
  Layer 2 w5: PS4.3@89.3,91.68 95.87,98.25 C20.1@123,98.25
+5V: C6.2 C11.2 C12.2 P1.2 P1.4 PS3.3 R1.2 U1.CN11_24 X4.A11 X4.B11 X4.C11 | length 290.1
  Top Layer w1: R1.2@50,124.001 v1(50,127) ; v1(110,142) C12.2@112,142 ; P1.4@112.78,135 P1.2@115.32,135 ; X4.C11@140.4,126.08 X4.B11@140.4,123.54 X4.A11@140.4,121 140.4,120.865 141.74,119.525 141.74,115.492 142.45,114.782 C6.2@142.45,110 142.45,107.3 v1(142.5,107.25)
  Layer 1 w1: 118.25,135 131.48,135 X4.C11@140.4,126.08 140.535,126.08 141.985,127.53 146.909,127.53 146.97,127.47 147.03,127.53 153.701,127.53 154.55,126.681 154.55,117.636 145.414,108.5 143.75,108.5 v1(142.5,107.25)
  Layer 1 w2: P1.2@115.32,135 118.25,135
  Layer 1 w4: PS3.3@43.7,128.446 50.446,128.446 63,141 95.414,141 96.414,142 v1(110,142) 120.25,142 ; v1(101.75,189) 133.25,157.5 133.25,147.75 127.5,142 120.25,142 ; 118.25,135 120.25,137 120.25,142
  Bottom Layer w1: PS3.3@43.7,128.446 48.554,128.446 v1(50,127) ; U1.CN11_24@96.99,209.21 96.99,206.186 95.536,204.732 95.536,198.214 99.75,194 C11.2@101.45,194 101.45,189.3 v1(101.75,189) ; P1.4@112.78,135 P1.2@115.32,135
+12V: PS1.3 R2.2 X4.B1 X4.B2 | length 66.1
  Top Layer w1: X4.B1@115,123.54 X4.B2@117.54,123.54 ; PS1.3@158.54,109 161.54,112 R2.2@164.856,112
  Bottom Layer w1: X4.B2@117.54,123.54 X4.B1@115,123.54 115,123.405 113.55,121.955 113.55,120.399 116.699,117.25 150.29,117.25 PS1.3@158.54,109
+48V: C7.2 C8.2 C21.1 C22.1 J1.1 J1.2 J1.3 J1.4 J10.A1 J10.A2 J10.B1 J10.B2 J14.A1 J14.A2 J14.B1 J14.B2 PS1.1 PS2.1 PS3.1 PS4.1 R9.2 X4.A12 X4.B12 X4.C12 | length 80.5
  Top Layer w1: R9.2@30.242,43 30.242,40.008 v1(30.25,40) ; PS2.1@131.54,137 139.04,129.5 141,129.5 142.94,127.56 X4.C12@142.94,126.08 X4.B12@142.94,123.54 X4.A12@142.94,121 142.94,118.06 152,109 PS1.1@153.46,109
  Bottom Layer w1: v1(30.25,40) 30.25,46.325 30.75,46.825
  Bottom Layer w2: C7.2@18,46.825 C8.2@26,46.825 30.75,46.825 38.596,46.825 J1.3@40.421,45 J1.4@48.621,45
DC1_V: D11.3 R11.1 R16.2 U1.CN12_62 | length 150.6
  Top Layer w0.3: v1(94.379,143.5) 94.379,142.333 95.033,141.679 95.033,141.467 96.1,140.4 96.1,134.884 97.25,133.734 v1(97.25,131)
  Layer 1 w0.3: U1.CN12_62@48.71,148.25 55.153,141.807 55.693,141.807 v1(55.75,141.75)
  Bottom Layer w0.3: v1(55.75,141.75) 93.982,141.75 94.379,142.146 v1(94.379,143.5) ; v1(97.25,131) 97.25,129.5 95.5,127.75 95.5,102.034 97.034,100.5 124.5,100.5 128.25,96.75 D11.3@128.25,83.8 128.25,83.7 130.15,81.8 131.2,81.8 R16.2@131.75,81.25 131.2,80.7 131,80.7 128.3,78 R11.1@128.25,78
DC2_V: D12.3 R13.1 R17.2 U1.CN12_24 | length 130.2
  Top Layer w0.3: U1.CN12_24@96.97,148.25 96.985,148.235 96.985,141.4 97.21,141.175 97.21,140.557 97.801,139.966 97.801,139.557 v1(97.859,139.5)
  Bottom Layer w0.3: v1(97.859,139.5) 97.859,139.581 97.386,140.054 97.386,140.267 97.21,140.443 96.828,140.443 96.44,140.055 96.44,129.397 94.75,127.707 94.75,102.077 96.827,100 124.25,100 125,99.25 125,79.972 124.824,79.796 115.922,79.796 113.926,77.8 D12.3@105.75,77.8 104.35,77.8 R17.2@102.55,76 ; R17.2@102.5,76 R17.2@102.55,76 ; R13.1@106,72 105.95,72 103.1,74.85 103.1,75.45 R17.2@102.55,76
GND: B1.2 B1.12 B1.21 C1.1 C2.1 C3.1 C4.1 C5.1 C6.1 C7.1 C8.1 C9.1 C10.1 C11.1 C12.1 C13.2 C14.1 C15.1 C16.1 C17.1 C18.1 C19.1 C20.2 C21.2 C22.2 C23.2 C24.2 C25.1 C26.1 C27.1 C28.1 C39.1 C40.1 C41.1 C42.1 C43.1 C44.1 C48.1 C49.1 C50.1 C51.1 C52.1 C53.1 C54.1 C55.1 C56.1 D1.2 D2.1 D3.1 D4.2 D5.2 D6.2 D7.2 D9.2 D10.2 D11.1 D12.1 D14.2 IC1.10 IC1.20 IC1.21 IC1.22 IC1.23 IC3.10 IC3.20 IC3.21 IC3.22 IC3.23 J1.5 J1.6 J1.7 J1.8 J4.17 J4.18 J8.1 J8.2 J8.3 J8.4 J8.5 J8.6 J8.7 J8.8 J8.9 J8.10 J8.11 J8.12 J8.13 J8.14 J8.15 J8.16 J10.A3 J10.A4 J10.B3 J10.B4 J12.1 J12.2 J12.3 J12.4 J12.5 J12.6 J12.7 J12.8 J12.9 J12.10 J12.11 J12.12 J12.13 J12.14 J12.15 J12.16 J12.17 J12.18 J13.A3 J13.A4 J13.B3 J13.B4 J14.A3 J14.A4 J14.B3 J14.B4 P1.6 P1.14 P2.6 P3.1 P3.3 P3.5 P4.9 P4.10 P5.9 P5.10 P6.9 P6.10 PS1.2 PS2.2 PS3.2 PS3.5 PS4.2 PS4.5 R16.1 R17.1 R24.2 R25.2 R26.2 R27.2 R28.2 R29.2 R30.2 R31.2 U1.CN11_8 U1.CN11_19 U1.CN11_20 U1.CN11_22 U1.CN11_49 U1.CN11_60 U1.CN12_9 U1.CN12_20 U1.CN12_32 U1.CN12_39 U1.CN12_54 U1.CN12_63 U3.5 U6.5 U7.5 U8.5 U9.5 U10.5 X4.A13 X4.A14 X4.A15 X4.A16 X4.B3 X4.B4 X4.B13 X4.B14 X4.B15 X4.B16 X4.C13 X4.C14 X4.C15 X4.C16 X4.MH1 X4.MH2 | length 168.9
  Top Layer w0.3: B1.12@15.641,54.95 15.641,53.44 15.75,53.331 v1(15.75,53.25) ; v1(20.901,51) 20.917,50.984 B1.21@20.917,48.485 ; B1.2@22.142,54.95 22.142,56.31 22.25,56.419 v1(22.25,56.5) ; C14.1@25.242,48.2 25.291,48.25 26.669,48.25 26.919,48.5 v1(27,48.5) ; D6.2@30.041,49.75 v1(31.75,49.75) ; D10.2@32.791,55 v1(34.5,55) ; v1(50,115.25) D1.2@50,117.2 ; v1(103.25,61.5) D3.1@104.959,61.5 ; C12.1@115.1,142 116,142 117.061,140.939 v1(117.061,139.5) ; v1(131.5,70) D2.1@131.5,71.4 ; v1(136.5,107.25) C5.1@136.5,109.95 ; v1(141.25,42) C48.1@142.518,42 ; C48.1@142.572,41.946 C48.1@142.518,42 ; v1(145.5,107.25) 145.5,109.95 C6.1@145.55,110 ; C54.1@148.451,49.95 143.602,49.95 142.307,48.655 U8.5@142.307,48.275 142.307,42.211 C48.1@142.518,42 ; v1(151.25,42) C49.1@152.518,42 ; C49.1@152.572,41.946 152.307,42.211 U9.5@152.307,48.275 152.307,48.655 153.602,49.95 C55.1@158.451,49.95 ; C13.2@157,170.95 157.2,170.95 159.79,173.54 P2.6@161,173.54 ; v1(162,42) C50.1@163.268,42 ; C50.1@163.572,41.946 163.307,42.211 U10.5@163.307,48.275 163.307,48.655 164.602,49.95 C56.1@169.451,49.95 ; C1.1@170.7,99.5 C3.1@170.7,97.25 170.7,93.406 173.556,90.55 174.363,90.55 IC1.23@174.438,90.475 ; C25.1@172.3,70.5 172.3,72.05 173.2,72.95 D9.2@173.2,73.8
  Layer 1 w0.3: v1(129,80.25) 131.5,77.75 v1(131.5,70)
  Bottom Layer w0.3: IC3.10@35.938,115.375 49.794,115.375 49.919,115.25 v1(50,115.25) ; v1(100.75,77.75) 100.831,77.75 101.081,78 R17.1@102.5,78 ; D12.1@106.45,75.7 106.475,75.675 106.475,74.525 v1(106.5,74.5) ; D11.1@128.95,81.7 128.975,81.675 128.975,80.275 v1(129,80.25) ; C28.1@132.261,49.95 137.11,49.95 138.405,48.655 U3.5@138.405,48.275 C26.1@138.405,42.045 ; C26.1@138.45,42 v1(139.75,42) ; C43.1@142.261,49.95 147.11,49.95 148.405,48.655 148.405,47.895 148.9,47.4 148.9,46.198 148.405,45.703 148.405,42.045 C39.1@148.45,42 v1(149.75,42) ; C44.1@153.261,49.95 158.11,49.95 159.405,48.655 U7.5@159.405,48.275 159.405,44 159.405,42.045 C40.1@159.45,42 v1(160.75,42)
  Bottom Layer w1: J4.17@16,93.154 J4.18@16,98.154
GPIO1: J11.13 J11.14 U1.CN12_30 | length 58.3
  Top Layer w0.3: J11.13@61.5,107 J11.14@61.5,112 ; v1(64.4,124.25) 64.385,124.265 64.385,124.696 63.85,125.231 63.85,125.769 64.231,126.15 66.236,126.15 73.24,133.154 73.24,135.116 74.394,136.27 75.944,136.27 76.12,136.446 76.12,137.996 77.264,139.14 79.976,139.14 89.086,148.25 U1.CN12_30@89.35,148.25
  Bottom Layer w0.3: J11.14@61.5,112 65.543,116.043 65.543,123.324 65.367,123.5 64.923,123.5 64.747,123.676 64.747,123.822 64.4,124.169 v1(64.4,124.25)
GPIO2: J11.15 J11.16 U1.CN12_28 | length 59.6
  Top Layer w0.3: J11.15@58,107 J11.16@58,112 ; v1(64.5,125.5) 66.293,125.5 74.693,133.9 75.136,133.9 76.12,134.884 76.12,135.456 77.019,136.355 78.105,136.355 78.49,136.74 78.49,138.24 78.89,138.64 80.183,138.64 84.55,143.007 85.669,143.007 90.686,148.025 91.665,148.025 U1.CN12_28@91.89,148.25
  Bottom Layer w0.3: J11.16@58,112 63.75,117.75 63.75,125.324 63.926,125.5 v1(64.5,125.5)